# Altium PCB pay-ssm-v4.PcbDoc (part 2 of 2)
Units mm, origin at the board's own origin, x right, y up, seen from the top; angles counter-clockwise.
Board outline 127 x 55.12 mm, 4 copper layers (Top Layer, GND, VCC, Bottom Layer), stack 0.603 mm thick; 264 components, 204 nets, 944 pads, 308 vias.
Unrouted connection lines stored in the file: 449.
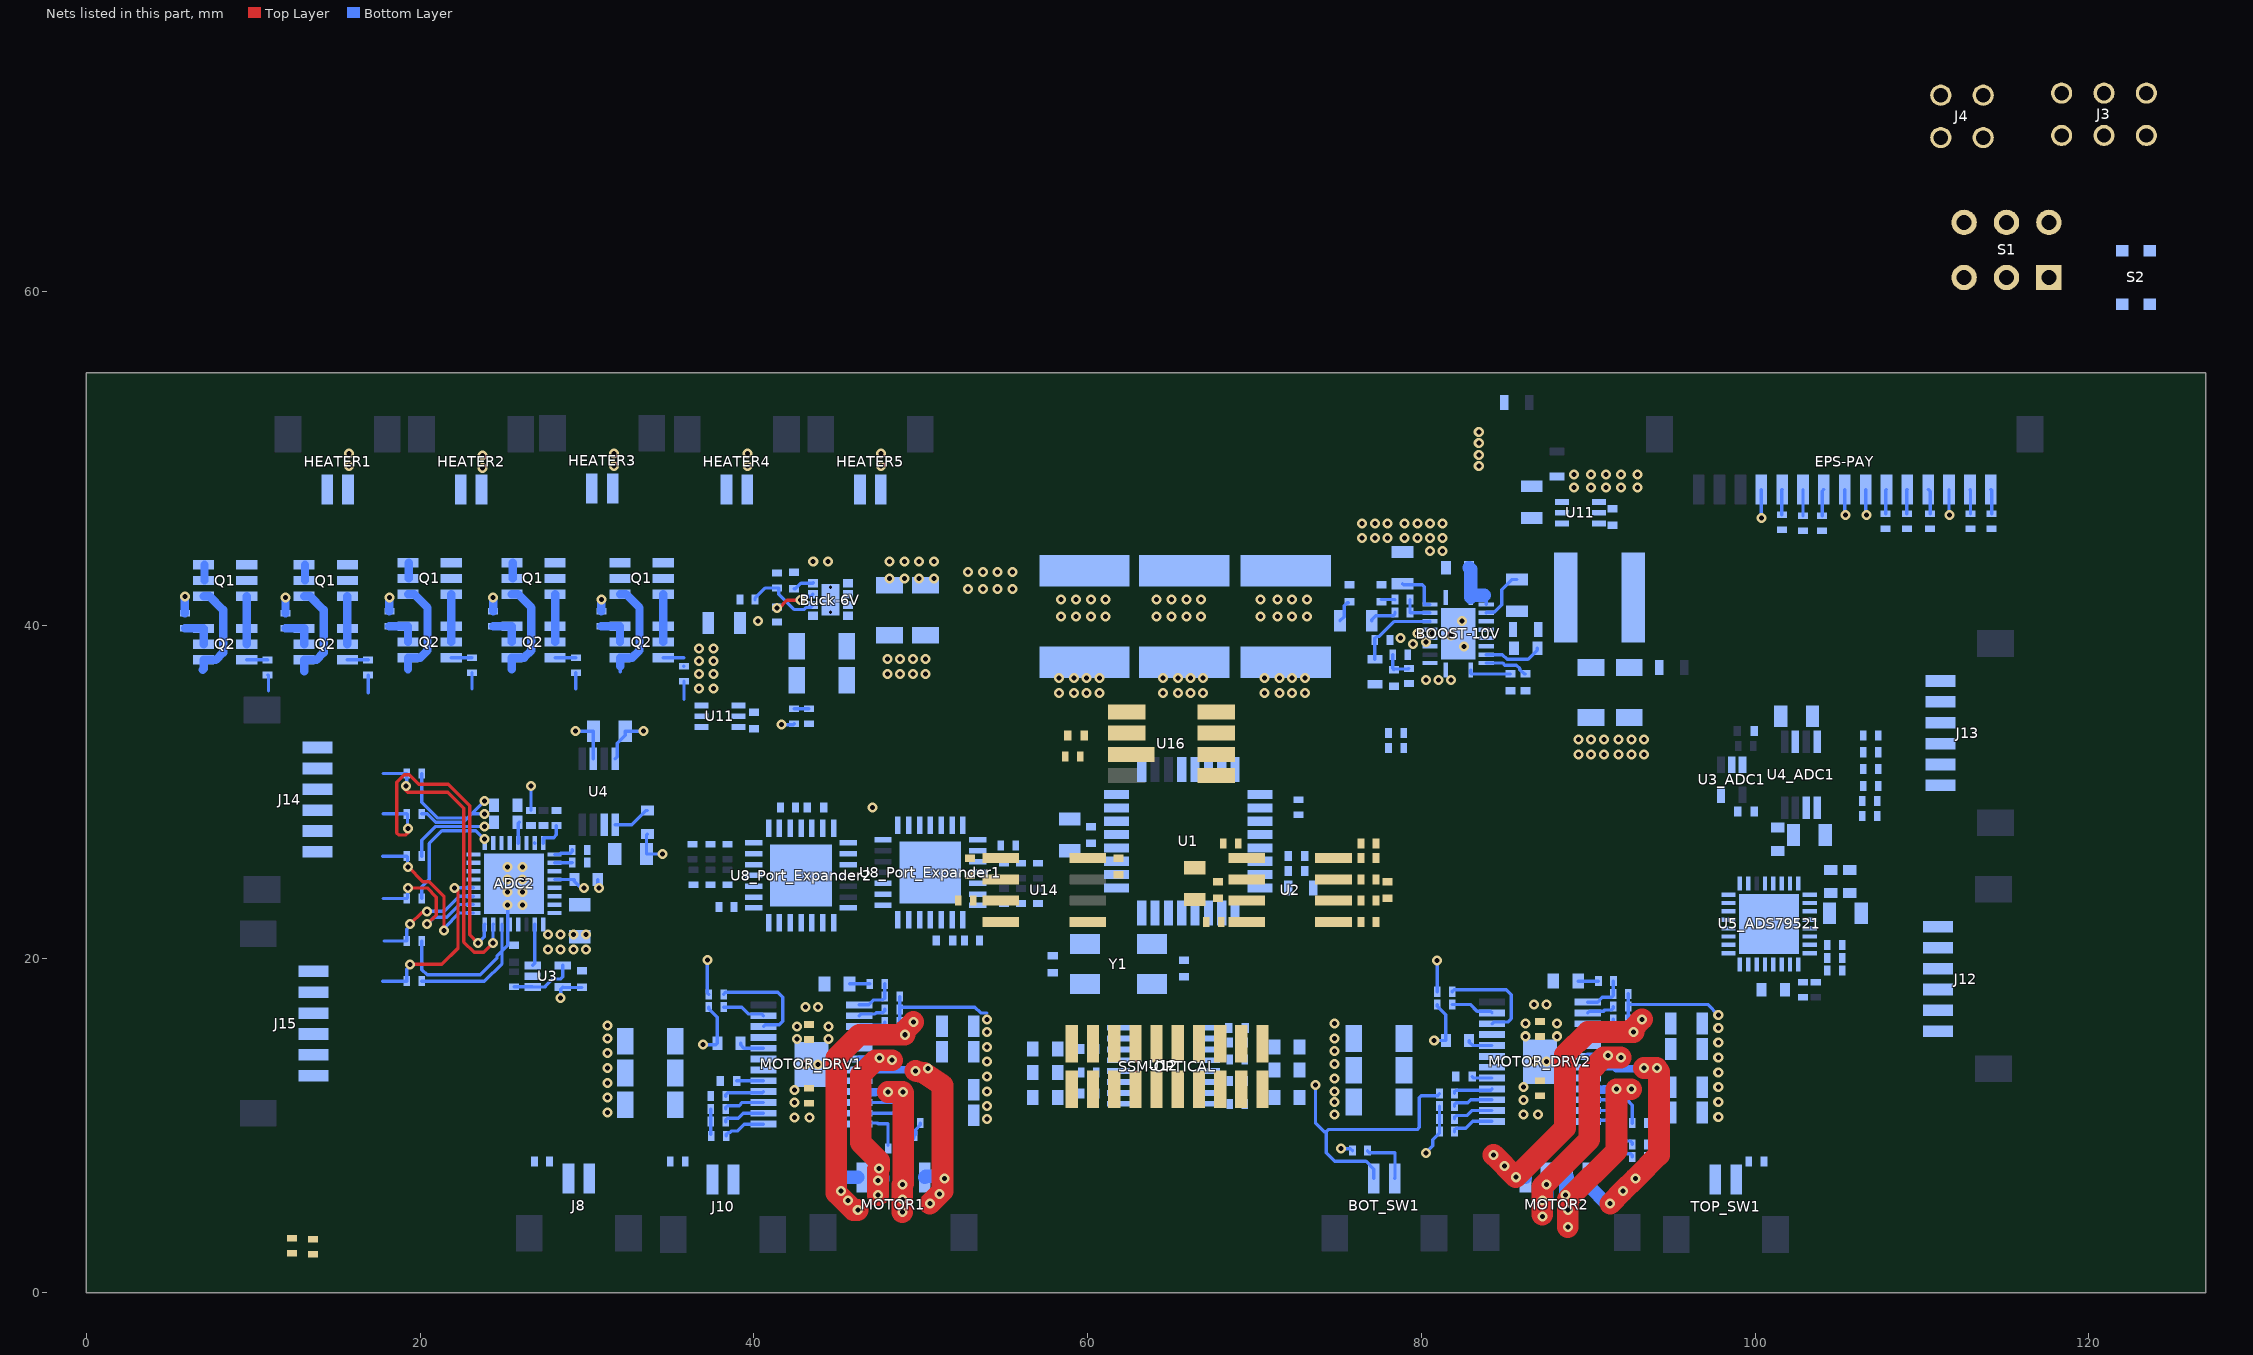
[diagram p4: the nets of this part, all layers, seen from the top]

## Via types
v1: diameter 0.6, hole 0.3, Top Layer to Bottom Layer, tented both sides, 300 vias
v2: diameter 6.5, hole 3.6, Top Layer to Bottom Layer, 8 vias

## Nets (pads, with @x,y where several pads share a name; then routed paths per layer and width w, separated by ;. In a path a pad name is that pad's centre, name@x,y a point inside that pad or via, vN(x,y) a via of type N, cw(c..) or ccw(c..) an arc to the next point about the centre after c; other vN are vias at no path point) (continued)
ADC_BUF_OUT_ADC2: R21.1 U3.1 U3.4 | length 3.9
  Bottom Layer w0.2: R21.1@25.63,18.334 25.64,18.324 26.742,18.324 U3.1@26.752,18.314 27.496,18.314 27.496,18.35 27.947,18.801 28.434,18.801 28.551,18.919 U3.4@28.551,19.614
ADC_CH6_ADC1: R42.1 R78_MOT_DRV1.2 U5_ADS79521.12
ADC_CH7_ADC1: R43.1 R78_MOT_DRV2.2 U5_ADS79521.11
ADC_MXO_ADC1: U3_ADC1.3 U5_ADS79521.2
ADC_MXO_ADC2: ADC2.2 U3.3 | length 2.5
  Bottom Layer w0.2: U3.3@26.752,19.614 26.88,19.743 ADC2.2@26.88,22.072
ADECAY_MOTOR_DRV1: MOTOR_DRV1.3 R62.2@47.84,16.219 U8_Port_Expander1.22 | length 1.7
  Bottom Layer w0.2: MOTOR_DRV1.3@46.318,15.95 46.387,16.019 47.74,16.019 47.84,16.119 R62.2@47.84,16.219
ADECAY_MOTOR_DRV2: MOTOR_DRV2.3 R62.2@91.498,16.383 U8_Port_Expander1.2 | length 1.7
  Bottom Layer w0.2: MOTOR_DRV2.3@89.976,16.114 90.045,16.183 91.398,16.183 91.498,16.283 R62.2@91.498,16.383
AENBL_MOTOR_DRV1: MOTOR_DRV1.10 R58.2@49.08,10.16 U8_Port_Expander1.18 | length 3.9
  Bottom Layer w0.2: MOTOR_DRV1.10@46.318,11.4 48.664,11.4 48.983,11.081 R58.2@48.983,9.996
AENBL_MOTOR_DRV2: MOTOR_DRV2.10 R58.2@92.641,10.16 U8_Port_Expander1.26 | length 3.9
  Bottom Layer w0.2: MOTOR_DRV2.10@89.976,11.564 92.322,11.564 92.641,11.245 R58.2@92.641,10.16
AISEN_MOTOR_DRV1: MOTOR_DRV1.5 R56.2@51.277,15.965 R57.2@51.277,14.441
AISEN_MOTOR_DRV2: MOTOR_DRV2.5 R56.2@94.935,16.129 R57.2@94.935,14.605
AOUT1_MOTOR_DRV1: MOTOR1.1 MOTOR_DRV1.4 | length 22.9
  Top Layer w1.3: v1(46.228,4.953) 45.974,4.953 44.947,5.98 44.947,14.085 46.319,15.457 v1(49.052,15.457) 49.052,15.711 v1(49.56,16.219)
  Bottom Layer w0.5: MOTOR_DRV1.4@46.318,15.3 46.361,15.343 48.938,15.343 v1(49.052,15.457) v1@49.047,15.457 ; v1@48.975,15.385 v1@49.047,15.457 ; v1(49.56,16.219) 49.541,16.2 49.541,15.951 v1@49.047,15.457
  Bottom Layer w0.8: v1(46.228,4.953) v1(45.657,5.524) 45.085,6.096 45.085,6.909 MOTOR1.1@46.228,6.909
  other v1: 45.212,6.096
AOUT1_MOTOR_DRV2: MOTOR2.1 MOTOR_DRV2.4 | length 22.5
  Top Layer w1.3: v1(84.328,8.255) 85.661,6.921 88.605,9.865 88.605,14.249 89.977,15.621 v1(92.71,15.621) 92.71,15.875 92.718,15.883 v1(93.218,16.383)
  Bottom Layer w0.5: MOTOR_DRV2.4@89.976,15.464 90.019,15.507 92.596,15.507 v1(92.71,15.621) 92.705,15.621 92.633,15.549 93.199,16.115 93.199,16.364 v1(93.218,16.383)
  Bottom Layer w0.8: v1(84.328,8.255) v1(85.664,6.919) 86.233,6.919 MOTOR2.1@86.243,6.909
  other v1: 84.996,7.587
AOUT2_MOTOR_DRV1: MOTOR1.2 MOTOR_DRV1.6 | length 13.5
  Top Layer w1.3: v1(47.443,5.842) v1(47.443,6.731) 47.443,7.395 v1(47.498,7.45) 47.498,7.897 46.4,8.995 46.4,13.059 47.274,13.933 v1(48.29,13.933)
  Bottom Layer w0.45: MOTOR_DRV1.6@46.318,14 v1@48.223,14
  Bottom Layer w0.5: v1@48.223,14 v1(48.29,13.933)
  Bottom Layer w0.8: MOTOR1.2@47.43,6.926 47.43,5.854 v1(47.443,5.842) ; MOTOR1.2@47.498,7.153 v1(47.498,7.45) ; MOTOR1.2@47.742,6.776 MOTOR1.2@47.742,6.909
  other v1: 47.528,14.06
AOUT2_MOTOR_DRV2: MOTOR2.2 MOTOR_DRV2.6 | length 16.1
  Top Layer w0.2: v1(87.249,4.572) v1@87.249,4.68
  Top Layer w1.3: v1@87.249,4.68 87.249,6.35 90.058,9.159 90.058,13.223 90.932,14.097 v1(91.948,14.097)
  Bottom Layer w0.45: MOTOR_DRV2.6@89.976,14.164 v1@91.881,14.164
  Bottom Layer w0.5: v1@91.881,14.164 v1(91.948,14.097)
  Bottom Layer w0.8: v1(87.249,4.572) 87.249,5.452 87.503,5.706 v1(87.503,6.477)
  other v1: 87.249,5.515 91.186,14.224
AREF: C4.2 U1.21
AVCC: C3.2 L1.2 U1.19
BDECAY_MOTOR_DRV1: MOTOR_DRV1.2 R63.2@47.84,16.981 U8_Port_Expander1.23 | length 1.7
  Bottom Layer w0.2: MOTOR_DRV1.2@46.318,16.6 46.423,16.705 47.264,16.705 47.34,16.781 47.74,16.781 47.84,16.881 R63.2@47.84,16.981
BDECAY_MOTOR_DRV2: MOTOR_DRV2.2 R63.2@91.498,17.145 U8_Port_Expander1.3 | length 1.7
  Bottom Layer w0.2: MOTOR_DRV2.2@89.976,16.764 90.081,16.869 90.922,16.869 90.998,16.945 91.398,16.945 91.498,17.045 R63.2@91.498,17.145
BENBL_MOTOR_DRV1: MOTOR_DRV1.11 R59.2@48.699,9.398 U8_Port_Expander1.19 | length 3.6
  Bottom Layer w0.2: MOTOR_DRV1.11@46.318,10.75 46.326,10.758 48.413,10.758 48.628,10.544 48.628,9.469 R59.2@48.699,9.398
BENBL_MOTOR_DRV2: MOTOR_DRV2.11 R59.2@92.641,8.89 U8_Port_Expander1.27 | length 4.5
  Bottom Layer w0.2: MOTOR_DRV2.11@89.976,10.914 89.984,10.922 92.071,10.922 92.189,10.805 92.189,9.247 92.346,9.09 92.541,9.09 92.641,8.99 R59.2@92.641,8.89
BISEN_MOTOR_DRV1: MOTOR_DRV1.8 R54.2@51.277,12.155 R55.2@51.277,10.631
BISEN_MOTOR_DRV2: MOTOR_DRV2.8 R54.2@94.935,12.319 R55.2@94.935,10.795
BOOST_CURR_MON: U5_ADS79521.9 U11.6@88.435,47.386
BOOST_OUT: BOOST-10V.14 BOOST-10V.15 BOOST-10V.16 R28.1 R30.2 R32.2 U11.4@88.435,46.086
  other v1: 79.502,38.862 80.264,38.989 78.74,39.243 79.756,39.497 80.645,39.497
BOOST_TEMP: R36.1 R78.2@78.036,33.528 U5_ADS79521.10
BOOST_VOLT_DIV: BOOST-10V.17 R30.1 R34.2 | length 5
  Bottom Layer w0.2: R34.2@77.216,37.961 R30.1@77.216,39.116 77.216,39.216 77.316,39.316 77.459,39.316 78.358,40.215 80.498,40.215 BOOST-10V.17@80.518,40.235
BOOST_VOLT_MON: C30.2 R32.1 R35.2 U5_ADS79521.8 | length 1.8
  Bottom Layer w0.2: R32.1@78.29,38.227 78.29,37.407 C30.2@78.359,37.338 78.393,37.372 79.213,37.372 R35.2@79.248,37.407
BOOT: BOOST-10V.8 C19.1 | length 3.5
  Bottom Layer w0.2: BOOST-10V.8@83.888,38.235 84.861,38.235 85.14,37.956 86.393,37.956 86.945,38.508 C19.1@86.945,38.608
BOT_SW1_IRQ: BOT_SW1.2 R46.1 U8_Port_Expander2.19 | length 3.2
  Bottom Layer w0.2: R46.1@76.777,8.509 76.777,8.482 76.877,8.382 78.417,8.382 78.417,6.87 BOT_SW1.2@78.403,6.856
BOT_SW2_IRQ: J10.2 R47.1 U8_Port_Expander2.20
BOUT1_MOTOR_DRV1: MOTOR1.3 MOTOR_DRV1.9 | length 12.7
  Top Layer w1.3: v1(48.036,12.028) v1@48.895,12.028 ; v1(48.895,4.826) v1(48.895,5.588) v1(48.895,6.477) 48.95,6.532 48.95,11.973 v1@48.895,12.028 ; v1(48.925,12.028) v1@48.895,12.028
  Bottom Layer w0.5: MOTOR_DRV1.9@46.361,12.007 47.27,12.007 47.29,12.028 v1(48.036,12.028) v1(48.925,12.028)
  Bottom Layer w0.8: v1(48.895,4.826) v1(48.895,5.588) v1(48.895,6.477) MOTOR1.3@48.895,6.812
BOUT1_MOTOR_DRV2: MOTOR2.3 MOTOR_DRV2.9 | length 16
  Top Layer w1.3: v1(88.773,3.937) v1(88.773,4.953) 88.773,5.588 91.694,8.509 v1(91.694,12.192) v1(92.583,12.192)
  Bottom Layer w0.5: MOTOR_DRV2.9@90.019,12.171 90.928,12.171 90.948,12.192 v1(92.583,12.192)
  Bottom Layer w0.8: MOTOR2.3@88.743,6.909 88.646,6.812 v1(88.646,5.842) 88.646,4.064 v1(88.773,3.937)
BOUT2_MOTOR_DRV1: MOTOR1.4 MOTOR_DRV1.7 | length 16.6
  Top Layer w0.2: v1@50.374,13.35 v1(50.449,13.425)
  Top Layer w1.3: v1(49.687,13.298) 50.195,13.171 ; 50.363,13.059 51.308,12.429 51.308,6.096 v1(50.546,5.334)
  Bottom Layer w0.45: MOTOR_DRV1.7@46.318,13.35 49.358,13.35
  Bottom Layer w0.5: 49.358,13.35 49.433,13.425 v1(50.449,13.425)
  Bottom Layer w0.8: MOTOR1.4@50.242,6.909 50.242,6.935 50.292,6.985 51.435,6.985 51.435,6.223 v1(50.546,5.334)
  other v1: 51.117,5.905 51.435,6.858
BOUT2_MOTOR_DRV2: MOTOR2.4 MOTOR_DRV2.7 | length 19
  Top Layer w0.2: v1@94.032,13.514 94.084,13.462 v1(94.107,13.462)
  Top Layer w1.3: v1(91.313,5.334) v1(92.075,6.096) v1(92.837,6.858) 94.234,8.255 94.234,13.24 94.241,13.238 v1(94.107,13.462) ; v1(93.345,13.462) v1@94.084,13.462
  Bottom Layer w0.45: MOTOR_DRV2.7@89.976,13.514 90.024,13.562 90.89,13.562 90.905,13.547 91.467,13.547 91.482,13.562 91.525,13.562 91.667,13.42 93.345,13.42 v1(93.345,13.462)
  Bottom Layer w0.5: v1(93.345,13.462) v1(94.107,13.462)
  Bottom Layer w0.8: MOTOR2.4@89.993,6.909 89.993,6.427 91.186,5.234 91.186,5.207 v1(91.313,5.334) v1(92.075,6.096) v1(92.837,6.858)
BUCK_CURR_MON: ADC2.14 U11.6@36.873,35.194
BUCK_PWR_GOOD: Buck-6V.7 R38.2 | length 2.9
  Top Layer w0.2: v1(41.402,41.021) 41.51,41.021 41.984,41.495 v1(42.784,41.495)
  Bottom Layer w0.2: v1(42.784,41.495) 42.682,41.495 42.606,41.571 42.672,41.637 42.672,41.656 42.852,41.656 42.936,41.74 43.427,41.74 Buck-6V.7@43.541,41.854
BUCK_SS: Buck-6V.8 C35.2 | length 1.3
  Bottom Layer w0.2: C35.2@42.418,42.172 42.493,42.172 42.825,42.504 Buck-6V.8@43.541,42.504 Buck-6V.8@43.569,42.532
BUCK_TEMP: ADC2.13 R41.1 R78.2@42.418,34.994 | length 0.9
  Bottom Layer w0.2: R78.2@42.418,34.994 R41.1@43.307,34.994
BUCK_VOLT_DIV: Buck-6V.6 R39.1 R40.1 | length 4.7
  Bottom Layer w0.2: R39.1@40.074,41.529 40.074,41.629 40.667,42.222 R40.1@41.402,42.222 41.502,42.222 41.502,41.847 42.407,40.942 43.012,40.942 43.127,41.056 43.393,41.056 Buck-6V.6@43.541,41.204
BUCK_VOUT: Buck-6V.4 Buck-6V.5 R37.2 R38.1 U11.4@36.873,33.894
  other v1: 40.259,40.259
BUF_EN_N: R79.2 U12.1 U12.15
CAN_CM_F: C9.2 R12.1 R16.1
CANH: R2.2 R16.2 U2.7
CANH_R: EPS-PAY.2 R2.1 | length 1.5
  Bottom Layer w0.2: EPS-PAY.2@112.87,48.133 112.903,48.1 R2.1@112.903,46.678
CANL: R1.2 R12.2 U2.6
CANL_R: EPS-PAY.1 R1.1 | length 1.5
  Bottom Layer w0.2: EPS-PAY.1@114.12,48.133 114.173,48.08 R1.1@114.173,46.678
COMP: BOOST-10V.18 R27.2 R31.2 | length 2
  Bottom Layer w0.2: R31.2@79.317,41.529 R27.2@79.317,40.767 79.349,40.735 BOOST-10V.18@80.518,40.735
CONFIG_MOTOR_DRV1: MOTOR_DRV1.15 R51.1@38.326,11.012 | length 2.5
  Bottom Layer w0.2: R51.1@38.326,11.012 38.326,11.112 38.426,11.212 39.118,11.212 39.306,11.4 MOTOR_DRV1.15@40.578,11.4
CONFIG_MOTOR_DRV2: MOTOR_DRV2.15 R51.1@81.984,11.176 | length 2.5
  Bottom Layer w0.2: R51.1@81.984,11.176 81.984,11.276 82.084,11.376 82.776,11.376 82.964,11.564 MOTOR_DRV2.15@84.236,11.564
CS_N_R_ADC1: R19_ADC1.2 R24_ADS79521.1 U5_ADS79521.23
CS_N_R_ADC2: ADC2.23 R19.2 R24.1 | length 0
  Bottom Layer w0.2: ADC2.23@26.856,26.966 ADC2.23@26.88,26.942
EPS_RST: R10.2
EPS_RST_R: EPS-PAY.11 R10.1 | length 1.5
  Bottom Layer w0.2: R10.1@101.6,46.62 101.6,48.113 EPS-PAY.11@101.62,48.133
FSW: BOOST-10V.3 R26.1 | length 3.2
  Bottom Layer w0.2: BOOST-10V.3@83.888,40.735 83.918,40.765 84.355,40.765 84.809,41.219 84.809,42.117 85.425,42.733 R26.1@85.725,42.733
GEN_THM: ADC2.15 R76.1 R78_AmbientTemp.2
GND: ADC2.1 ADC2.4 ADC2.5 ADC2.6 ADC2.16 ADC2.17 ADC2.18 ADC2.19 ADC2.20 ADC2.22 ADC2.27 ADC2.30 ADC2.33 BOOST-10V.11 BOOST-10V.12 BOOST-10V.20 BOOST-10V.21 Buck-6V.3 Buck-6V.9 C1.1 C2.1 C3.1 C4.1 C5.1 C6.1 C7.1 C8.1 C9.1 C10.1 C10_ADC1.1 C11.1 C11_ADC1.1 C12.1 C13.1 C13_ADC1.1 C14.1 C14_ADC1.1 C15.1 C15_ADS79521.1 C16.1 C16_ADS79521.1 C17.1 C17_ADS79521.1 C18.1 C18_ADS79521.1 C20.1 C21.1 C22.1 C23.1 C24.1 C25.1 C26.1 C27.1 C28.1 C29.1 C30.1 C31.1 C32.1 C33.1 C34.1 C35.1 C37.1 C38.1 C39.1 C40.2 C41_Port_Expander1.1 C41_Port_Expander2.1 C42.2 C43.1 C44.2 C45.1 C46.1 D2.2 D3.2 D4.2 D5.2 D6.2 D7.2 EPS-PAY.3 EPS-PAY.7 EPS-PAY.12 J3.6 MOTOR_DRV1.21 MOTOR_DRV1.25 MOTOR_DRV2.21 MOTOR_DRV2.25 nSLEEP.2 Q1.4 Q2.4 R18.1 R29.1 R34.1 R35.1 R40.2 R44.2 R45.2 R46.2 R47.2 R50.1 R51.2 R52.1 R53.1 R54.1 R55.1 R56.1 R57.1 R58.1 R59.1 R60.1 R61.1 R62.1 R63.1 R72.1 R72_Port_Expander1.1 R73.1 R73_Port_Expander1.1 R74.1 R74_Port_Expander1.1 R78.1 R78_.1 R78_AmbientTemp.1 R78_MF_THM1_6.1 R78_MF_THM1_7.1 R78_MF_THM1_8.1 R78_MF_THM1_9.1 R78_MF_THM1_10.1 R78_MF_THM1_11.1 R78_MOT_DRV1.1 R78_MOT_DRV2.1 R79.1 S2.2 SSM-OPTICAL.2 SSM-OPTICAL.3 SSM-OPTICAL.6 SSM-OPTICAL.7 SSM-OPTICAL.10 SSM-OPTICAL.11 SSM-OPTICAL.13 SSM-OPTICAL.14 SSM-OPTICAL.15 SSM-OPTICAL.17 SSM-OPTICAL.18 SSM-OPTICAL.19 U1.5 U1.20 U2.2 U3.2 U3_ADC1.2 U4.4 U4_ADC1.4 U5_ADS79521.1 U5_ADS79521.4 U5_ADS79521.5 U5_ADS79521.6 U5_ADS79521.7 U5_ADS79521.19 U5_ADS79521.20 U5_ADS79521.22 U5_ADS79521.27 U5_ADS79521.30 U5_ADS79521.33 U8_Port_Expander1.6 U8_Port_Expander1.29 U8_Port_Expander2.6 U8_Port_Expander2.29 U11.1 U11.2 U12.8 U14.2 U16.2 U16.6 Y1.2 Y1.4 | length 110
  Bottom Layer w0.2: R78.1@20.111,18.665 23.852,18.665 24.913,19.725 24.913,20.487 ; R78.1@20.111,21.078 20.111,19.358 20.423,19.046 23.598,19.046 24.614,20.062 24.614,20.189 24.913,20.487 ; R78.1@20.111,23.618 20.111,24.322 20.55,24.761 20.55,26.92 21.312,27.682 23.344,27.682 v1(23.852,27.174) ; R78.1@20.111,26.158 20.111,27.116 20.931,27.936 v1(23.852,27.936) ; R78_.1@20.111,28.698 20.423,28.698 20.931,28.19 22.582,28.19 v1(23.852,29.46) ; R78.1@20.111,31.111 20.111,29.391 21.058,28.444 22.836,28.444 ; 23.09,28.698 v1(23.852,28.698) ; ADC2.6@24.913,22.072 24.913,20.487 ; v1(25.249,23.237) 25.249,20.824 24.913,20.487 ; C17.1@30.649,24.761 30.649,24.315 v1(30.71,24.253) ; U4.4@31.684,32 31.809,32.125 31.809,32.914 32.296,33.401 C12.1@32.296,33.651 v1(33.377,33.651) ; Q2.4@31.979,38.049 Q2.4@32.004,38.024 ; 32.004,37.211 32.004,37.541 ; C13.1@33.631,27.49 33.566,27.424 C14.1@33.566,26.285 v1(34.52,26.285) ; v1(36.957,14.859) 37.721,14.859 C40.2@37.811,14.949 37.811,16.496 37.299,17.008 R50.1@37.299,17.108 ; R60.1@37.426,9.488 R52.1@37.426,10.25 R51.2@37.426,11.012 ; v1(41.656,34.036) 42.36,34.036 R78.1@42.418,34.094 ; R62.1@48.74,16.219 R63.1@48.74,16.981 R63.1@48.74,17.008 ; R53.1@48.74,17.743 R63.1@48.74,17.008 ; R61.1@48.964,8.636 48.964,8.736 49.064,8.836 49.137,8.836 49.599,9.298 R59.1@49.599,9.398 49.699,9.498 49.699,9.779 49.98,10.06 R58.1@49.98,10.16 ; 53.975,16.764 53.594,16.764 53.25,17.108 48.84,17.108 R63.1@48.74,17.008 ; v1(75.184,8.636) 75.75,8.636 R46.2@75.877,8.509 ; v1(80.264,8.382) 80.688,8.806 80.688,9.156 81.084,9.552 R60.1@81.084,9.652 R52.1@81.084,10.414 R51.2@81.084,11.176 ; v1(80.772,15.113) C40.2@81.469,15.113 81.469,16.66 80.957,17.172 R50.1@80.957,17.272 ; R62.1@92.398,16.383 R63.1@92.398,17.145 R63.1@92.398,17.172 ; R53.1@92.398,17.907 R63.1@92.398,17.172 ; v1(97.79,16.637) 97.155,17.272 92.498,17.272 R63.1@92.398,17.172 ; EPS-PAY.12@100.37,48.133 100.37,46.442 v1(100.392,46.42) ; EPS-PAY.7@106.62,48.133 106.62,46.669 v1(106.68,46.609) ; EPS-PAY.3@111.62,48.133 111.62,46.622 v1(111.633,46.609)
  Bottom Layer w0.5: 6.985,37.338 7.031,37.384 Q2.4@7.031,37.922 7.768,37.922 8.199,38.354 8.199,40.919 7.387,41.732 Q1.4@7.031,41.732 ; 13.056,37.236 Q2.4@13.056,37.922 13.792,37.922 14.224,38.354 14.224,40.919 13.411,41.732 Q1.4@13.056,41.732 ; 19.279,37.363 Q2.4@19.279,38.049 20.015,38.049 20.447,38.481 20.447,41.046 19.634,41.859 Q1.4@19.279,41.859 ; 25.502,37.363 Q2.4@25.502,38.049 26.238,38.049 26.67,38.481 26.67,41.046 25.857,41.859 Q1.4@25.502,41.859 ; Q2.4@31.979,38.049 32.715,38.049 33.147,38.481 33.147,41.046 32.334,41.859 Q1.4@31.979,41.859 ; 32.004,37.541 Q2.4@32.004,38.024
  other v1: 53.975,10.414 42.448,10.504 43.337,10.504 97.79,10.541 74.803,10.668 86.106,10.668 86.995,10.668 31.242,10.795 53.975,11.176 42.448,11.393 74.803,11.43 97.79,11.43 86.106,11.557 31.242,11.684 53.975,12.065 74.803,12.065 42.448,12.155 86.106,12.319 97.79,12.319 31.242,12.573 74.803,12.827 53.975,12.954 97.79,13.208 31.242,13.462 43.083,13.679 43.845,13.679 74.803,13.716 53.975,13.843 86.741,13.843 87.503,13.843 97.79,14.097 31.242,14.351 74.803,14.478 53.975,14.732 97.79,14.986 42.575,15.203 44.48,15.203 31.242,15.24 74.803,15.24 86.233,15.367 88.138,15.367 53.975,15.621 97.79,15.875 42.575,15.965 44.48,15.965 31.242,16.002 74.803,16.129 86.233,16.129 88.138,16.129 53.975,16.383 43.083,17.108 43.845,17.108 86.741,17.272 87.503,17.272 27.662,20.57 28.424,20.57 29.186,20.57 29.948,20.57 27.662,21.459 28.424,21.459 29.186,21.459 29.948,21.459 26.138,23.237 25.249,23.999 26.138,23.999 25.249,24.761 26.138,24.761 25.249,25.523 26.138,25.523 89.408,32.258 90.17,32.258 90.932,32.258 91.821,32.258 92.583,32.258 93.345,32.258 89.408,33.147 90.17,33.147 90.932,33.147 91.821,33.147 92.583,33.147 93.345,33.147 58.293,35.941 59.182,35.941 59.944,35.941 60.706,35.941 64.516,35.941 65.405,35.941 66.167,35.941 66.929,35.941 70.612,35.941 71.501,35.941 72.263,35.941 73.025,35.941 80.264,36.703 81.026,36.703 81.788,36.703 58.293,36.83 59.182,36.83 59.944,36.83 60.706,36.83 64.516,36.83 65.405,36.83 66.167,36.83 66.929,36.83 70.612,36.83 71.501,36.83 72.263,36.83 73.025,36.83 48.006,37.084 48.768,37.084 49.53,37.084 50.292,37.084 48.006,37.973 48.768,37.973 49.53,37.973 50.292,37.973 82.55,38.735 81.788,39.37 82.423,40.259 43.561,43.815 44.45,43.815 80.518,44.45 81.28,44.45 76.454,45.212 77.216,45.212 77.978,45.212 78.994,45.212 79.756,45.212 80.518,45.212 81.28,45.212 76.454,46.101 77.216,46.101 77.978,46.101 78.994,46.101 79.756,46.101 80.518,46.101 81.28,46.101
GPA0_Port_Expander1: MOTOR_DRV1.1 R53.2@47.84,17.743 R64.1@47.851,18.505 U8_Port_Expander1.17 | length 2.6
  Bottom Layer w0.2: MOTOR_DRV1.1@46.318,17.25 46.898,17.25 47.191,17.543 47.74,17.543 47.84,17.643 R53.2@47.84,17.743 47.845,17.748 47.845,18.5 R64.1@47.851,18.505
GPA0_Port_Expander2: R44.1 TOP_SW1.2 U8_Port_Expander2.17
GPA1_Port_Expander2: J8.2 R45.1 U8_Port_Expander2.18
GPA3_Port_Expander1: MOTOR_DRV1.16 R48.1@38.326,11.774 U8_Port_Expander1.20 | length 2.4
  Bottom Layer w0.2: R48.1@38.326,11.774 38.326,11.874 38.426,11.974 40.502,11.974 MOTOR_DRV1.16@40.578,12.05
GPA4_Port_Expander1: MOTOR_DRV1.14 R52.2@38.326,10.25 U8_Port_Expander1.21 | length 2.5
  Bottom Layer w0.2: R52.2@38.326,10.25 38.326,10.35 38.426,10.45 39.062,10.45 39.362,10.75 MOTOR_DRV1.14@40.578,10.75
GPA4_Port_Expander2: U8_Port_Expander2.21
GPA5_Port_Expander2: U8_Port_Expander2.22
GPA6_Port_Expander2: U8_Port_Expander2.23
GPA7_Port_Expander1: U8_Port_Expander1.24
GPA7_Port_Expander2: U8_Port_Expander2.24
GPB0_Port_Expander1: MOTOR_DRV2.1 R53.2@91.498,17.907 R64.1@91.509,18.669 U8_Port_Expander1.25 | length 2.6
  Bottom Layer w0.2: MOTOR_DRV2.1@89.976,17.414 90.556,17.414 90.849,17.707 91.398,17.707 91.498,17.807 R53.2@91.498,17.907 91.504,17.912 91.504,18.664 R64.1@91.509,18.669
GPB0_Port_Expander2: U8_Port_Expander2.25
GPB1_Port_Expander2: U8_Port_Expander2.26
GPB2_Port_Expander2: U8_Port_Expander2.27
GPB3_Port_Expander1: MOTOR_DRV2.16 R48.1@81.984,11.938 U8_Port_Expander1.28 | length 2.4
  Bottom Layer w0.2: R48.1@81.984,11.938 81.984,12.038 82.084,12.138 84.16,12.138 MOTOR_DRV2.16@84.236,12.214
GPB4_Port_Expander1: MOTOR_DRV2.14 R52.2@81.984,10.414 U8_Port_Expander1.1 | length 2.5
  Bottom Layer w0.2: R52.2@81.984,10.414 81.984,10.514 82.084,10.614 82.72,10.614 83.02,10.914 MOTOR_DRV2.14@84.236,10.914
GPB7_Port_Expander1: U8_Port_Expander1.4
GPIO_ADS79521: U5_ADS79521.29
GPIO_ADS79522: ADC2.29
HEATER_EN_HEATER1_N: Q2.3@9.622,37.922 R66.1@10.866,37.915 U8_Port_Expander2.28 | length 1.2
  Bottom Layer w0.2: Q2.3@9.622,37.922 9.625,37.919 10.863,37.919 R66.1@10.866,37.915
HEATER_EN_HEATER2_N: Q2.3@15.646,37.922 R66.1@16.891,37.915 U8_Port_Expander2.1 | length 1.2